# Altium PCB TD4_CPU.PcbDoc (part 1 of 3) (continued)
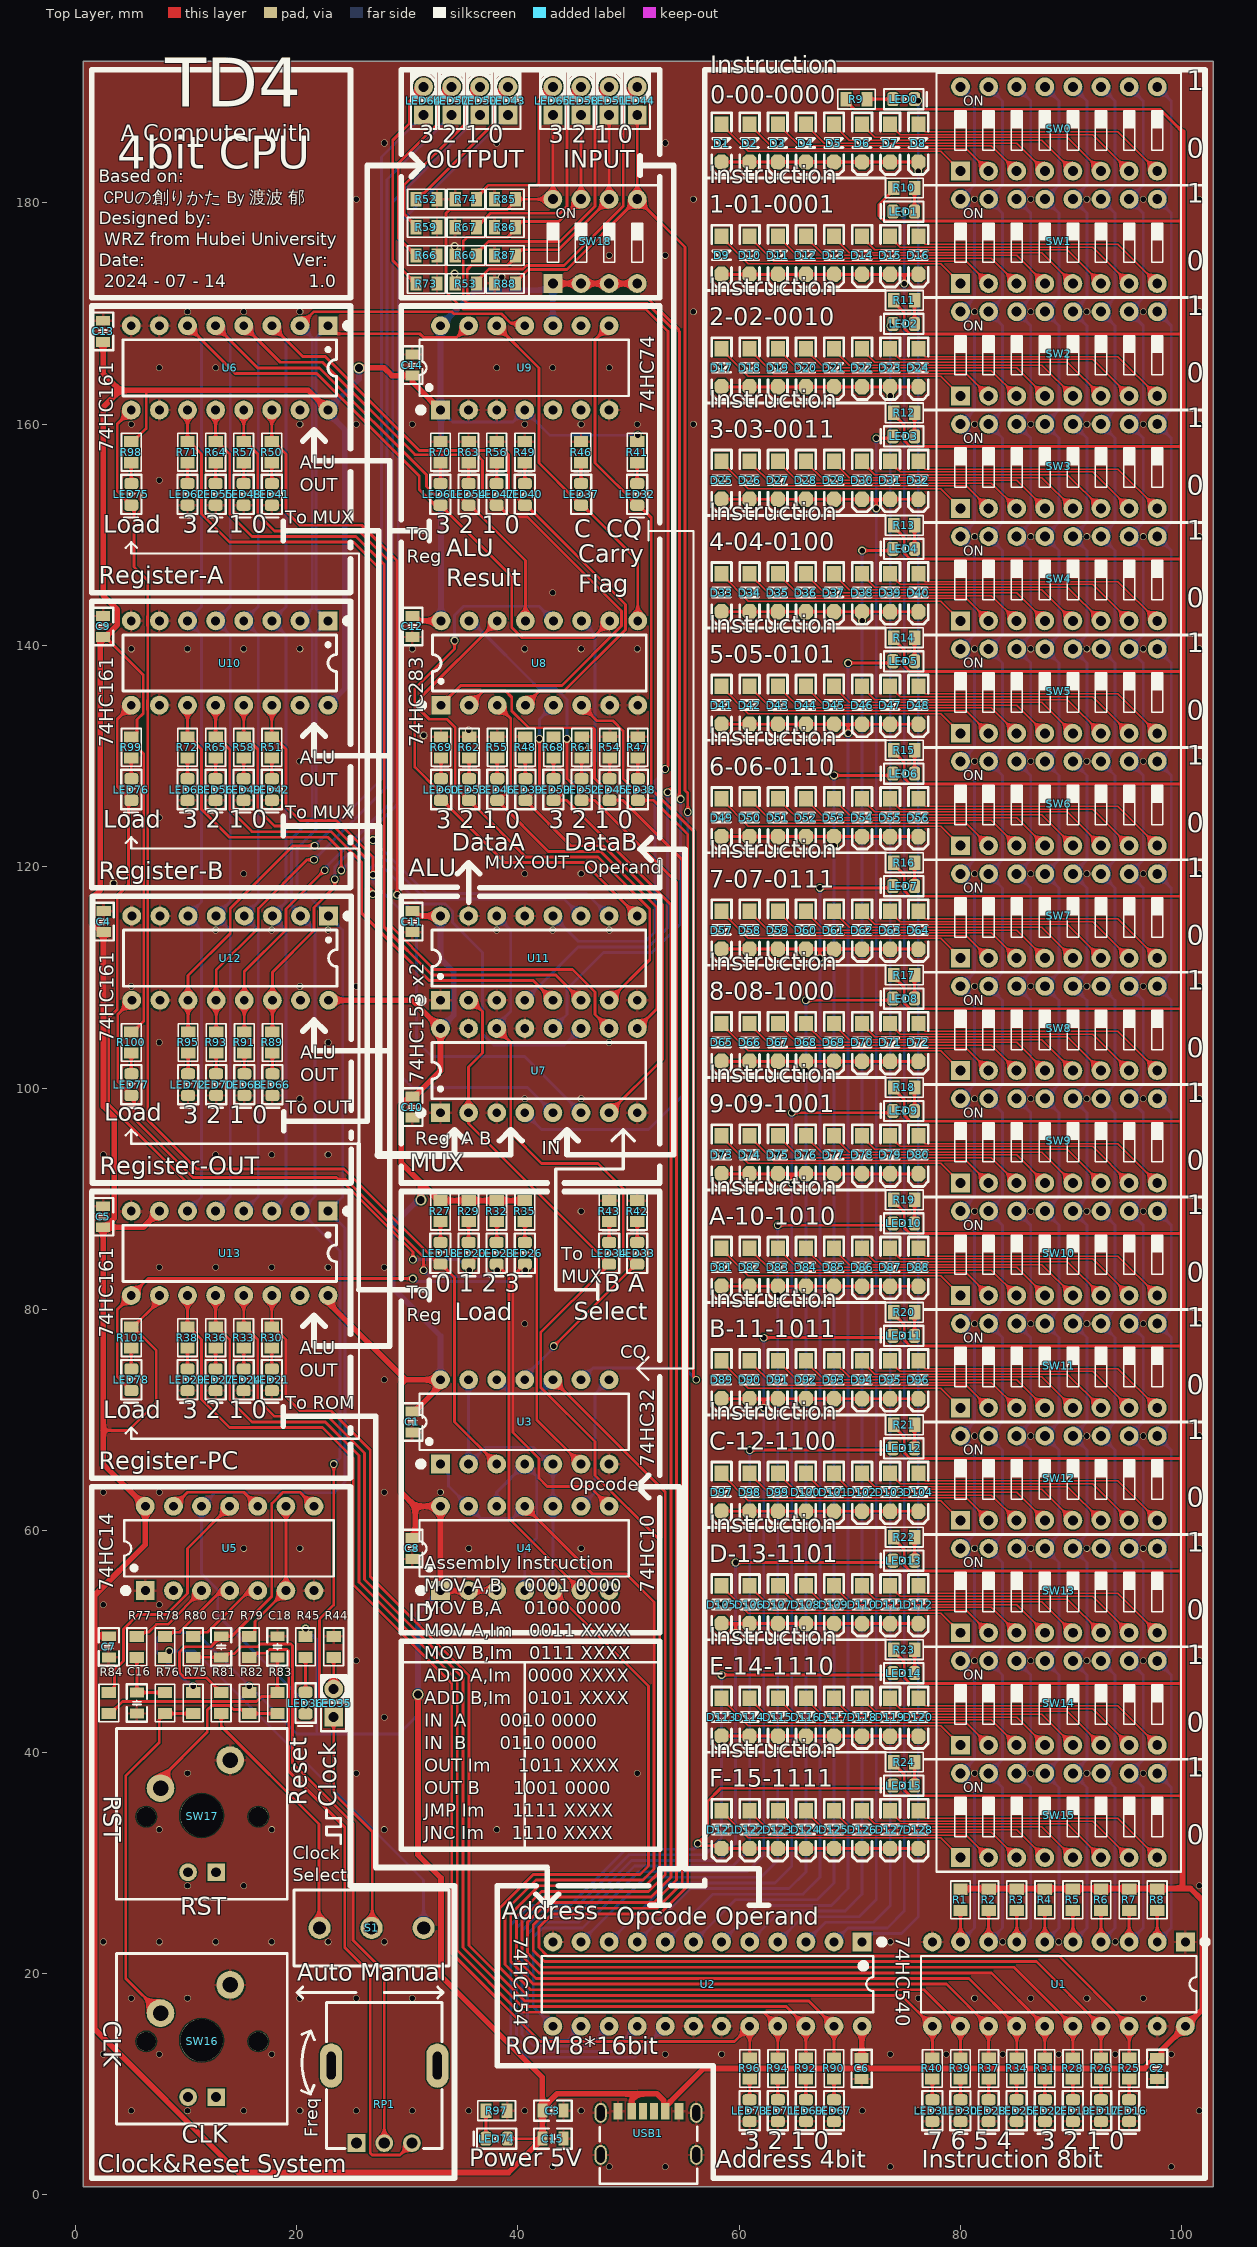
[diagram p0: Top Layer view]
## Components (designator, comment, footprint, x,y, rotation, side; value= is the part's Value field where it differs from the comment) (continued)
R4 "10K" R0805_L 87.63,26.67 r270 top
R5 "10K" R0805_L 90.17,26.67 r270 top
R6 "10K" R0805_L 92.71,26.67 r270 top
R7 "10K" R0805_L 95.25,26.67 r270 top
R8 "10K" R0805_L 97.79,26.67 r270 top
R9 "3K9" R0805_L 70.612,189.389 r180 top
R10 "3K9" R0805_L 74.93,181.356 r180 top
R11 "3K9" R0805_L 74.93,171.196 r180 top
R12 "3K9" R0805_L 74.93,161.036 r180 top
R13 "3K9" R0805_L 74.93,150.876 r180 top
R14 "3K9" R0805_L 74.93,140.716 r180 top
R15 "3K9" R0805_L 74.93,130.556 r180 top
R16 "3K9" R0805_L 74.93,120.396 r180 top
R17 "3K9" R0805_L 74.93,110.236 r180 top
R18 "3K9" R0805_L 74.93,100.076 r180 top
R19 "3K9" R0805_L 74.93,89.916 r180 top
R20 "3K9" R0805_L 74.93,79.756 r180 top
R21 "3K9" R0805_L 74.93,69.596 r180 top
R22 "3K9" R0805_L 74.93,59.436 r180 top
R23 "3K9" R0805_L 74.93,49.276 r180 top
R24 "3K9" R0805_L 74.93,39.116 r180 top
R25 "1K" R0805_L 95.25,11.43 r90 top
R26 "1K" R0805_L 92.71,11.43 r90 top
R27 "1K" R0805_L 33.02,88.9 r90 top
R28 "1K" R0805_L 90.17,11.43 r90 top
R29 "1K" R0805_L 35.56,88.9 r90 top
R30 "3K9" R0805_L 17.78,77.47 r90 top
R31 "1K" R0805_L 87.63,11.43 r90 top
R32 "1K" R0805_L 38.1,88.9 r90 top
R33 "3K9" R0805_L 15.24,77.47 r90 top
R34 "1K" R0805_L 85.09,11.43 r90 top
R35 "1K" R0805_L 40.64,88.9 r90 top
R36 "3K9" R0805_L 12.7,77.47 r90 top
R37 "1K" R0805_L 82.55,11.43 r90 top
R38 "3K9" R0805_L 10.16,77.47 r90 top
R39 "1K" R0805_L 80.01,11.43 r90 top
R40 "1K" R0805_L 77.47,11.43 r90 top
R41 "1K" R0805_L 50.8,157.48 r90 top
R42 "820R" R0805_L 50.8,88.9 r270 top
R43 "820R" R0805_L 48.26,88.9 r270 top
R44 "1K" R0805_L 23.368,49.53 r270 top
R45 "1K5" R0805_L 20.828,49.53 r270 top
R46 "820R" R0805_L 45.72,157.48 r270 top
R47 "1K" R0805_L 50.851,130.81 r270 top
R48 "1K" R0805_L 40.691,130.81 r270 top
R49 "220R" R0805_L 40.64,157.48 r270 top
R50 "3K9" R0805_L 17.78,157.48 r90 top
R51 "3K9" R0805_L 17.78,130.81 r90 top
R52 "3K9" R0805_L 31.75,180.34 r180 top
R53 "1K" R0805_L 35.306,172.72 r0 top
R54 "1K" R0805_L 48.311,130.81 r270 top
R55 "1K" R0805_L 38.151,130.81 r270 top
R56 "220R" R0805_L 38.1,157.48 r270 top
R57 "3K9" R0805_L 15.24,157.48 r90 top
R58 "3K9" R0805_L 15.24,130.81 r90 top
R59 "3K9" R0805_L 31.75,177.8 r180 top
R60 "1K" R0805_L 35.306,175.26 r0 top
R61 "1K" R0805_L 45.771,130.81 r270 top
R62 "1K" R0805_L 35.611,130.81 r270 top
R63 "220R" R0805_L 35.56,157.48 r270 top
R64 "3K9" R0805_L 12.7,157.48 r90 top
R65 "3K9" R0805_L 12.7,130.81 r90 top
R66 "3K9" R0805_L 31.75,175.26 r180 top
R67 "1K" R0805_L 35.306,177.8 r0 top
R68 "1K" R0805_L 43.231,130.81 r270 top
R69 "1K" R0805_L 33.071,130.81 r270 top
R70 "220R" R0805_L 33.02,157.48 r270 top
R71 "3K9" R0805_L 10.16,157.48 r90 top
R72 "3K9" R0805_L 10.16,130.81 r90 top
R73 "3K9" R0805_L 31.75,172.72 r180 top
R74 "1K" R0805_L 35.306,180.34 r0 top
R75 "1K" R0805_L 10.668,44.45 r90 top
R76 "10K" R0805_L 8.128,44.45 r90 top
R77 "100K" R0805_L 5.588,49.53 r90 top
R78 "100R" R0805_L 8.128,49.53 r270 top
R79 "1K" R0805_L 15.748,49.53 r90 top
R80 "100K" R0805_L 10.668,49.53 r90 top
R81 "100R" R0805_L 13.208,44.45 r270 top
R82 "1K" R0805_L 15.748,44.45 r90 top
R83 "1K" R0805_L 18.288,44.45 r90 top
R84 "1K" R0805_L 3.048,44.45 r90 top
R85 "10K" R0805_L 38.862,180.34 r180 top
R86 "10K" R0805_L 38.862,177.8 r180 top
R87 "10K" R0805_L 38.862,175.26 r180 top
R88 "10K" R0805_L 38.862,172.72 r180 top
R89 "3K9" R0805_L 17.831,104.14 r90 top
R90 "3K9" R0805_L 68.58,11.43 r90 top
R91 "3K9" R0805_L 15.291,104.14 r90 top
R92 "3K9" R0805_L 66.04,11.43 r90 top
R93 "3K9" R0805_L 12.751,104.14 r90 top
R94 "3K9" R0805_L 63.5,11.43 r90 top
R95 "3K9" R0805_L 10.211,104.14 r90 top
R96 "3K9" R0805_L 60.96,11.43 r90 top
R97 "1K5" R0805_L 38.1,7.62 r180 top
R98 "1K" R0805_L 5.08,157.48 r90 top
R99 "1K" R0805_L 5.08,130.81 r90 top
R100 "1K" R0805_L 5.08,104.14 r90 top
R101 "1K" R0805_L 5.08,77.47 r90 top
RP1 "50K" XV09223NPV-20F 27.94,11.684 r0 top
S1 "SS-12F23" SS-12D10 26.796,24.13 r180 top
SW0 "DIP-SW-8P" "SW DIP-8P-B" 88.9,186.69 r0 top
SW1 "DIP-SW-8P" "SW DIP-8P-B" 88.9,176.53 r0 top
SW2 "DIP-SW-8P" "SW DIP-8P-B" 88.9,166.37 r0 top
SW3 "DIP-SW-8P" "SW DIP-8P-B" 88.9,156.21 r0 top
SW4 "DIP-SW-8P" "SW DIP-8P-B" 88.9,146.05 r0 top
SW5 "DIP-SW-8P" "SW DIP-8P-B" 88.9,135.89 r0 top
SW6 "DIP-SW-8P" "SW DIP-8P-B" 88.9,125.73 r0 top
SW7 "DIP-SW-8P" "SW DIP-8P-B" 88.9,115.57 r0 top
SW8 "DIP-SW-8P" "SW DIP-8P-B" 88.9,105.41 r0 top
SW9 "DIP-SW-8P" "SW DIP-8P-B" 88.9,95.25 r0 top
SW10 "DIP-SW-8P" "SW DIP-8P-B" 88.9,85.09 r0 top
SW11 "DIP-SW-8P" "SW DIP-8P-B" 88.9,74.93 r0 top
SW12 "DIP-SW-8P" "SW DIP-8P-B" 88.9,64.77 r0 top
SW13 "DIP-SW-8P" "SW DIP-8P-B" 88.9,54.61 r0 top
SW14 "DIP-SW-8P" "SW DIP-8P-B" 88.9,44.45 r0 top
SW15 "DIP-SW-8P" "SW DIP-8P-B" 88.9,34.29 r0 top
SW16 "Cherry" "LSW DIP-CHERRY-Hat" 11.43,13.97 r0 top
SW17 "Cherry" "LSW DIP-CHERRY-Hat" 11.43,34.29 r0 top
SW18 "DIP-SW-4P" "SW DIP-4P-B" 46.99,176.53 r0 top
U1 "SN74HC540" DIP20-300_MH 88.9,19.05 r270 top
U2 "SN74HC154" DIP24-300_MH 57.15,19.05 r270 top
U3 "SN74HC32" DIP14-300_MH 40.64,69.85 r90 top
U4 "SN74HC10" DIP14-300_MH 40.64,58.42 r90 top
U5 "SN74HC14" DIP14-300_MH 13.97,58.42 r90 top
U6 "SN74HC161" DIP16-300_MH 13.97,165.1 r270 top
U7 "SN74HC153" DIP16-300_MH 41.91,101.6 r90 top
U8 "SN74HC283" DIP16-300_MH 41.961,138.43 r90 top
U9 "SN74HC74" DIP14-300_MH 40.64,165.1 r90 top
U10 "SN74HC161" DIP16-300_MH 13.97,138.43 r270 top
U11 "SN74HC153" DIP16-300_MH 41.91,111.76 r90 top
U12 "SN74HC161" DIP16-300_MH 14.021,111.76 r270 top
U13 "SN74HC161" DIP16-300_MH 13.97,85.09 r270 top
USB1 "USB_TYPE-C_6Pin" USB-C-SMD_6P 51.816,5.588 r90 top

## Footprints (in the part's own frame and the unit in brackets; to place one, negate y for a bottom-side part, rotate by r counter-clockwise, add the part's x,y. Pads: shape width x height; smd on the part's side, far side on the other; paste and mask are expansions set on the pad)
C0805_L [mil] "贴片MLCC电容"
  rect 35x50 smd: 1(-37.4,0) 2(37.4,0)
  silkscreen extent -67,-36 67,36, body extent -39,-26 39,26, height 51
DIP14-300_MH [mm] "带底座  19*7.6*3.8(长宽高）"
  rect 1.7x1.7 hole 0.8: 1(-3.81,7.62)
  round 1.7 hole 0.8: 2(-3.81,5.08) 3(-3.81,2.54) 4(-3.81,0) 5(-3.81,-2.54) 6(-3.81,-5.08) 7(-3.81,-7.62) 8(3.81,-7.62) 9(3.81,-5.08) 10(3.81,-2.54) 11(3.81,0) 12(3.81,2.54) 13(3.81,5.08) 14(3.81,7.62)
  silkscreen extent -4.06,-9.4 2.54,9.65, body extent -5,-9.5 5,9.5, height 7.3
DIP16-300_MH [mm] "带底座 19.3*7.6*3.8(长宽高）"
  rect 1.7x1.7 hole 0.8: 1(-3.81,8.89)
  round 1.7 hole 0.8: 2(-3.81,6.35) 3(-3.81,3.81) 4(-3.81,1.27) 5(-3.81,-1.27) 6(-3.81,-3.81) 7(-3.81,-6.35) 8(-3.81,-8.89) 9(3.81,-8.89) 10(3.81,-6.35) 11(3.81,-3.81) 12(3.81,-1.27) 13(3.81,1.27) 14(3.81,3.81) 15(3.81,6.35) 16(3.81,8.89)
  silkscreen extent -4.06,-9.65 2.54,10.92, body extent -4.98,-10.25 5,10.25, height 7.5
DIP20-300_MH [mm] "带底座 26.4*7.6*3.8(长宽高）"
  rect 1.7x1.7 hole 0.8: 1(-3.81,11.43)
  round 1.7 hole 0.8: 2(-3.81,8.89) 3(-3.81,6.35) 4(-3.81,3.81) 5(-3.81,1.27) 6(-3.81,-1.27) 7(-3.81,-3.81) 8(-3.81,-6.35) 9(-3.81,-8.89) 10(-3.81,-11.43) 11(3.81,-11.43) 12(3.81,-8.89) 13(3.81,-6.35) 14(3.81,-3.81) 15(3.81,-1.27) 16(3.81,1.27) 17(3.81,3.81) 18(3.81,6.35) 19(3.81,8.89) 20(3.81,11.43)
  silkscreen extent -4.06,-12.45 2.54,13.46, body extent -5,-13.2 4.98,13.2, height 7.7
DIP24-300_MH [mm] "带底座 31*7.6*3.8(长宽高）"
  rect 1.7x1.7 hole 0.8: 1(-3.81,13.97)
  round 1.7 hole 0.8: 2(-3.81,11.43) 3(-3.81,8.89) 4(-3.81,6.35) 5(-3.81,3.81) 6(-3.81,1.27) 7(-3.81,-1.27) 8(-3.81,-3.81) 9(-3.81,-6.35) 10(-3.81,-8.89) 11(-3.81,-11.43) 12(-3.81,-13.97) 13(3.81,-13.97) 14(3.81,-11.43) 15(3.81,-8.89) 16(3.81,-6.35) 17(3.81,-3.81) 18(3.81,-1.27) 19(3.81,1.27) 20(3.81,3.81) 21(3.81,6.35) 22(3.81,8.89) 23(3.81,11.43) 24(3.81,13.97)
  silkscreen extent -4.06,-14.99 2.54,16, body extent -5.02,-15.5 5.03,15.5, height 7.7
LED0805_B [mil] "蓝色0805LED"
  rrect50% 40x50 smd: 1(-38.4,0) 2(38.4,0)
  silkscreen extent -70,-36 82,36, body extent -39,-25 39,25, height 32
"LED F257-W - duplicate" [mm] "透明色2mm*5mm*7mm(长*宽*高)"
  rect 1.7x1.7 hole 0.9: 1(-1.27,0)
  round 1.7 hole 0.9: 2(1.27,0)
  silkscreen extent -2.54,-1.14 2.54,1.14, body extent -2.5,-1 2.5,1, height 7
"LSW DIP-CHERRY-Hat" [mm]
  round 2.5 hole 1.4: 1(-3.708,2.464) 2(2.591,5.004)
  rect 1.6x1.6 hole 0.9: 3(1.321,-5.131)
  round 1.6 hole 0.9: 4(-1.219,-5.131)
  round 1.75 hole 1.75: ""(-5.004,-0.102) ""(5.131,-0.102)
  round 3.85 hole 3.85: ""(0,0)
  silkscreen extent -7.7,-7.57 7.75,7.85, body extent -9,-9 9,9, height 18
R0805_L [mm] "1/8W贴片电阻"
  rect 1x1.3 smd: 1(-0.95,0) 2(0.95,0)
  silkscreen extent -1.7,-0.89 1.7,0.89, body extent -1,-0.62 1,0.63, height 0.5
SOD-123 [mil] "2.7x1.6X1.1mm（长宽高，不包括引脚） 淘宝ID:黄晶宝石"
  rect 55x50 smd: 1(-67.5,0)
  oct 55x50 smd: 2(67.5,0)
  silkscreen extent -108,-35 112,35, body extent -73,-32 73,31, height 50
SS-12D10 [mm] "脚距3mm      淘宝ID:黄晶宝石"
  round 2 hole 1.2: 1(-4.7,0) 2(0,0) 3(4.7,0)
  silkscreen extent -7,-3.43 7,3.43, body extent -7,-3.1 7,3.1, height 9.65
"SW DIP-4P-B" [mm] "11.7*9.9*7mm"
  rect 1.7x1.7 hole 0.9: 1(-3.81,-3.81)
  round 1.7 hole 0.9: 2(-1.27,-3.81) 3(1.27,-3.81) 4(3.81,-3.81) 5(3.81,3.81) 6(1.27,3.81) 7(-1.27,3.81) 8(-3.81,3.81)
  silkscreen extent -5.97,-5.08 5.97,5.08, body extent -5.21,-3.92 5.21,3.93, height 5.2
"SW DIP-8P-B" [mm] "21.9*9.9*7mm"
  rect 1.7x1.7 hole 0.9: 1(-8.89,-3.81)
  round 1.7 hole 0.9: 2(-6.35,-3.81) 3(-3.81,-3.81) 4(-1.27,-3.81) 5(1.27,-3.81) 6(3.81,-3.81) 7(6.35,-3.81) 8(8.89,-3.81) 9(8.89,3.81) 10(6.35,3.81) 11(3.81,3.81) 12(1.27,3.81) 13(-1.27,3.81) 14(-3.81,3.81) 15(-6.35,3.81) 16(-8.89,3.81)
  silkscreen extent -11.05,-5.08 11.05,5.08, body extent -10.16,-4.02 10.16,4.02, height 5.2
USB-C-SMD_6P [mil] "封装库来自淘宝ID:黄晶宝石"
  oval 70.82x43.31 hole 27.56 slot 55.16 at 0 deg: 0(-77.75,170.08) 0(-77.75,-170.08) 0(71.85,170.08) 0(71.85,-170.08)
  rect 59x27.6 smd: A5(77.76,19.7) B5(77.76,-19.7)
  rect 59x29.9 smd: A9(77.76,-59.85) B9(77.76,59.85)
  rect 59x31.5 smd: A12(77.76,-108.25) B12(77.76,108.25)
  silkscreen extent -180,-174 22,174, body extent -172,-176 95,176, height 127
XV09223NPV-20F [mm] "长9.85mm，宽11.55mm，高20mm"
  oval 2x4 hole 0.8 slot 2.5 at 90 deg: 0(-4.8,0) 0(4.8,0)
  rect 1.6x1.6 hole 1: 1(-2.5,-7)
  round 1.6 hole 1: 2(0,-7) 3(2.5,-7)
  silkscreen extent -5.21,-7.49 5.21,5.71, body extent -4.92,-7.15 4.93,5.5, height 20

## Part data
C1 C2 C3 C4 C5 C6 C7 C8 C9 C10 C11 C12 C13 C14 C15 C16 C17 C18: library part C, "贴片电容/MLCC电容"
D1 D2 D3 D4 D5 D6 D7 D8 D9 D10 D11 D12 D13 D14 D15 D16 D17 D18 D19 D20 D21 D22 D23 D24 D25 D26 D27 D28 D29 D30 D31 D32 D33 D34 D35 D36 D37 D38 D39 D40 D41 D42 D43 D44 D45 D46 D47 D48 D49 D50 D51 D52 D53 D54 D55 D56 D57 D58 D59 D60 D61 D62 D63 D64 D65 D66 D67 D68 D69 D70 D71 D72 D73 D74 D75 D76 D77 D78 D79 D80 D81 D82 D83 D84 D85 D86 D87 D88 D89 D90 D91 D92 D93 D94 D95 D96 D97 D98 D99 D100 D101 D102 D103 D104 D105 D106 D107 D108 D109 D110 D111 D112 D113 D114 D115 D116 D117 D118 D119 D120 D121 D122 D123 D124 D125 D126 D127 D128: "肖特基二极管"
LED0 LED1 LED2 LED3 LED4 LED5 LED6 LED7 LED8 LED9 LED10 LED11 LED12 LED13 LED14 LED15 LED16 LED17 LED18 LED19 LED20 LED21 LED22 LED23 LED24 LED25 LED26 LED27 LED28 LED29 LED30 LED31 LED32 LED33 LED34 LED35 LED36 LED37 LED38 LED39 LED40 LED41 LED42 LED43 LED44 LED45 LED46 LED47 LED48 LED49 LED50 LED51 LED52 LED53 LED54 LED55 LED56 LED57 LED58 LED59 LED60 LED61 LED62 LED63 LED64 LED65 LED66 LED67 LED68 LED69 LED70 LED71 LED72 LED73 LED74 LED75 LED76 LED77 LED78: library part LED, "贴片LED"
R1 R2 R3 R4 R5 R6 R7 R8 R9 R10 R11 R12 R13 R14 R15 R16 R17 R18 R19 R20 R21 R22 R23 R24 R25 R26 R27 R28 R29 R30 R31 R32 R33 R34 R35 R36 R37 R38 R39 R40 R41 R42 R43 R44 R45 R46 R47 R48 R49 R50 R51 R52 R53 R54 R55 R56 R57 R58 R59 R60 R61 R62 R63 R64 R65 R66 R67 R68 R69 R70 R71 R72 R73 R74 R75 R76 R77 R78 R79 R80 R81 R82 R83 R84 R85 R86 R87 R88 R89 R90 R91 R92 R93 R94 R95 R96 R97 R98 R99 R100 R101: library part R, "贴片电阻"
RP1: library part RP, "单联电位器"
S1: library part SSW-1P, "1路波动开关"
SW0 SW1 SW2 SW3 SW4 SW5 SW6 SW7 SW8 SW9 SW10 SW11 SW12 SW13 SW14 SW15: "8路编码开关"
SW16 SW17: library part LSW, "带灯机械按键开关"
SW18: "4路编码开关"
U1: "OCTAL BUF AND LINE DRV 3SO"
U2: "4-16LINE DEC DEMUL"
U3: "Quad 2-IN Pos Or G"
U4: "Triple 3-IN Pos Nand G"
U5: "Hex Inverter SCH"
U6 U10 U12 U13: "SYN 4-BIT CNT"
U7 U11: "DUAL 4-1 LINE DATA SELEC/MUX"
U8: "4-BIT BIN ADD WITH FC"
U9: "DUAL D PET FF RS CR"
USB1: "USB_TYPE-C_6Pin母座"

## Via types
v1: diameter 0.6, hole 0.5, Top Layer to Bottom Layer, tented both sides, 253 vias
v2: diameter 0.7, hole 0.5, Top Layer to Bottom Layer, tented both sides, 77 vias
v3: diameter 1, hole 0.7, Top Layer to Bottom Layer, tented both sides, 3 vias

## Nets (pads, with @x,y where several pads share a name; then routed paths per layer and width w, separated by ;. In a path a pad name is that pad's centre, name@x,y a point inside that pad or via, vN(x,y) a via of type N, cw(c..) or ccw(c..) an arc to the next point about the centre after c; other vN are vias at no path point)
A_REG_0: R50.2 U6.14 U7.6 | length 83.2
  Top Layer w0.254: R50.2@17.78,158.43 U6.14@17.78,161.29 ; R50.2@17.93,158.43 19.05,157.31 19.05,152.146 20.32,150.876 25.908,150.876 29.1,147.684 v2(29.1,117.481)
  Bottom Layer w0.254: v2(29.1,117.481) 29.077,117.481 30.861,115.697 30.861,104.267 32.258,102.87 40.64,102.87 U7.6@45.72,97.79
A_REG_1: R57.2 U6.13 U7.10 | length 81.3
  Top Layer w0.254: R57.2@15.24,158.43 U6.13@15.24,161.29 ; R57.2@15.39,158.43 16.51,157.31 16.51,151.884 18.026,150.368 25.654,150.368 28.448,147.574 28.448,117.348 28.448,114.741 32.445,110.744 44.958,110.744 46.99,108.712 46.99,106.68 U7.10@48.26,105.41
A_REG_2: R64.2 U6.12 U11.6 | length 79
  Top Layer w0.254: R64.2@12.7,158.43 U6.12@12.7,161.29 ; R64.2@12.85,158.43 13.97,157.31 13.97,151.892 16.002,149.86 25.4,149.86 27.94,147.32 27.94,117.348 27.94,114.554 32.258,110.236 43.434,110.236 U11.6@45.72,107.95
A_REG_3: R71.2 U6.11 U11.10 | length 77
  Top Layer w0.254: R71.2@10.16,158.43 U6.11@10.16,161.29 ; R71.2@10.31,158.43 11.43,157.31 11.43,151.884 13.962,149.352 25.146,149.352 27.432,147.066 27.432,122.745 27.114,122.428 v2(26.924,122.428)
  Bottom Layer w0.254: v2(26.924,122.428) 31.75,117.602 46.228,117.602 U11.10@48.26,115.57
Addr0: R30.2 R90.2 U2.23 U13.14 | length 106.7
  Top Layer w0.254: U13.14@17.78,81.28 R30.2@17.78,78.42 17.93,78.42 19.05,77.3 19.05,72.136 20.32,70.866 23.114,70.866 26.67,67.31 26.67,55.88 35.611,46.939 35.611,22.555 40.64,17.526 66.294,17.526 U2.23@68.58,15.24 R90.2@68.58,12.38
Addr1: R33.2 R92.2 U2.22 U13.13 | length 106.9
  Top Layer w0.254: R33.2@15.24,78.42 R33.2@15.39,78.42 ; U13.13@15.24,81.28 15.24,78.57 R33.2@15.39,78.42 ; R92.2@66.04,12.38 U2.22@66.04,15.24 64.262,17.018 40.386,17.018 35.052,22.352 35.052,46.736 26.162,55.626 26.162,67.056 22.86,70.358 18.026,70.358 16.51,71.874 16.51,77.3 R33.2@15.39,78.42
Addr2: R36.2 R94.2 U2.21 U13.12 | length 106.8
  Top Layer w0.254: U13.12@12.7,81.28 R36.2@12.7,78.42 12.85,78.42 13.97,77.3 13.97,71.882 16.002,69.85 22.606,69.85 25.654,66.802 25.654,55.372 34.544,46.482 34.544,22.098 40.132,16.51 62.23,16.51 U2.21@63.5,15.24 R94.2@63.5,12.38
Addr3: R38.2 R96.2 U2.20 U13.11 | length 108
  Top Layer w0.254: U13.11@10.16,81.28 R38.2@10.16,78.42 10.31,78.42 11.43,77.3 11.43,71.874 13.962,69.342 22.352,69.342 25.146,66.548 25.146,55.118 34.036,46.228 34.036,21.844 42.012,13.868 59.588,13.868 U2.20@60.96,15.24 R96.2@60.96,12.38
ALU_A0: LED39.1 U7.7 U8.5 | length 46.8
  Top Layer w0.254: v2(41.961,131.572) 41.961,127.295 41.12,126.454 41.12,126.396 40.749,126.025 LED39.1@40.691,126.025 44.795,121.92 47.752,121.92 53.086,116.586 53.086,102.616 U7.7@48.26,97.79
  Bottom Layer w0.254: v2(41.961,131.572) 41.961,133.35 U8.5@43.231,134.62
ALU_A1: LED46.1 U7.9 U8.3 | length 39.8
  Top Layer w0.254: U8.3@38.151,134.62 39.37,133.401 39.37,127.117 38.278,126.025 LED46.1@38.151,126.025 42.763,121.412 47.498,121.412 52.578,116.332 52.578,107.188 U7.9@50.8,105.41
ALU_A2: LED53.1 U8.14 U11.7 | length 52.1
  Top Layer w0.254: U8.14@38.151,142.24 31.242,135.331 31.242,134.112 32.004,133.35 33.594,133.35 34.356,132.588 34.356,127.279 35.181,126.454 35.181,126.396 35.553,126.025 LED53.1@35.611,126.025 35.669,126.025 36.04,125.653 36.04,125.595 40.731,120.904 47.244,120.904 51.93,116.218 51.93,111.62 U11.7@48.26,107.95
ALU_A3: LED60.1 U8.12 U11.9 | length 51.1
  Top Layer w0.254: v2(34.29,140.462) 34.29,139.7 30.701,136.111 30.701,129.027 32.815,126.914 32.815,126.28 LED60.1@33.071,126.025 33.198,126.025 38.826,120.396 45.974,120.396 U11.9@50.8,115.57
  Bottom Layer w0.254: v2(34.29,140.462) 34.29,142.748 35.103,143.561 41.91,143.561 U8.12@43.231,142.24
ALU_OUT0: LED40.1 U6.3 U8.4 U10.3 U12.3 U13.3 | length 141.6
  Top Layer w0.254: U6.3@17.78,168.91 20.574,166.116 22.606,166.116 31.099,157.623 38.802,157.623 39.167,157.259 39.167,154.168 40.21,153.124 40.21,153.066 40.582,152.695 LED40.1@40.64,152.695 40.767,152.695 49.745,143.717 49.745,141.439 44.196,135.89 41.961,135.89 U8.4@40.691,134.62
  Bottom Layer w0.254: U13.3@17.78,88.9 19.05,90.17 19.05,114.3 17.78,115.57 19.05,116.84 19.05,140.97 U10.3@17.78,142.24 19.05,143.51 19.05,167.64 U6.3@17.78,168.91
ALU_OUT1: LED47.1 U6.4 U8.1 U10.4 U12.4 U13.4 | length 150.5
  Top Layer w0.254: U6.4@15.24,168.91 18.542,165.608 22.352,165.608 30.701,157.259 36.305,157.259 36.83,156.733 36.83,153.965 37.67,153.124 37.67,153.066 38.042,152.695 LED47.1@38.1,152.695 38.227,152.695 39.284,151.638 40.894,151.638 49.389,143.143 49.389,141.793 43.994,136.398 34.849,136.398 U8.1@33.071,134.62
  Bottom Layer w0.254: U13.4@15.24,88.9 16.561,90.221 16.561,114.3 U12.4@15.291,115.57 15.24,115.57 16.561,116.891 16.561,140.97 15.291,142.24 U10.4@15.24,142.24 16.561,143.561 16.561,167.64 15.291,168.91 U6.4@15.24,168.91
ALU_OUT2: LED54.1 U6.5 U8.13 U10.5 U12.5 U13.5 | length 126.2
  Top Layer w0.254: U6.5@12.7,168.91 16.51,165.1 22.098,165.1 31.75,155.448 31.75,154.372 32.452,153.67 34.585,153.67 LED54.1@35.56,152.695 35.687,152.695 40.691,147.691 U8.13@40.691,142.24
  Bottom Layer w0.254: U13.5@12.7,88.9 14.021,90.221 14.021,114.3 U12.5@12.751,115.57 12.7,115.57 14.021,116.891 14.021,140.97 12.751,142.24 U10.5@12.7,142.24 14.021,143.561 14.021,167.64 12.751,168.91 U6.5@12.7,168.91
ALU_OUT3: LED61.1 U6.6 U8.10 U10.6 U12.6 U13.6 | length 137.1
  Top Layer w0.254: U6.6@10.16,168.91 14.478,164.592 21.844,164.592 31.099,155.337 31.099,154.118 32.522,152.695 LED61.1@33.02,152.695 33.078,152.695 33.45,152.323 33.45,152.265 39.464,146.251 39.464,141.638 40.386,140.716 46.787,140.716 U8.10@48.311,142.24
  Bottom Layer w0.254: U13.6@10.16,88.9 11.43,90.17 11.43,114.3 10.16,115.57 11.43,116.84 11.43,140.97 U10.6@10.16,142.24 11.43,143.51 11.43,167.64 U6.6@10.16,168.91
B_REG_0: R51.2 U7.5 U10.14 | length 55.6
  Top Layer w0.254: R51.2@17.78,131.76 U10.14@17.78,134.62 ; R51.2@17.93,131.76 19.05,130.64 19.05,125.476 20.32,124.206 23.622,124.206 26.924,120.904 v2(26.924,119.278) ; U7.5@42.964,98.006 U7.5@43.18,97.79
  Bottom Layer w0.254: v2(26.924,119.278) 26.924,118.611 29.464,116.071 29.464,101.092 30.48,100.076 40.894,100.076 U7.5@43.18,97.79
B_REG_1: R58.2 U7.11 U10.13 | length 59.2
  Top Layer w0.254: R58.2@15.24,131.76 U10.13@15.24,134.62 ; R58.2@15.39,131.76 16.51,130.64 16.51,125.214 18.026,123.698 23.368,123.698 26.416,120.65 26.416,119.589 26.345,119.518 26.345,118.371 26.899,117.818 v2(26.899,117.551)
  Bottom Layer w0.254: v2(26.899,117.551) 26.899,117.72 26.345,118.273 26.345,119.563 26.924,120.142 27.686,120.142 31.179,116.649 33.467,116.649 34.099,116.017 34.099,114.999 36.83,112.268 36.83,104.902 37.846,103.886 44.196,103.886 U7.11@45.72,105.41
B_REG_2: R65.2 U10.12 U11.5 | length 48.9
  Top Layer w0.254: R65.2@12.7,131.76 U10.12@12.7,134.62 ; R65.2@12.85,131.76 13.97,130.64 13.97,125.222 16.002,123.19 23.114,123.19 25.908,120.396 25.908,115.824 32.004,109.728 41.402,109.728 U11.5@43.18,107.95
B_REG_3: R72.2 U10.11 U11.11 | length 50.2
  Top Layer w0.254: R72.2@10.16,131.76 U10.11@10.16,134.62 ; R72.2@10.31,131.76 11.43,130.64 11.43,125.214 13.962,122.682 22.86,122.682 24.054,121.488 v2(24.054,119.685)
  Bottom Layer w0.254: v2(24.054,119.685) 25.273,120.904 27.815,120.904 31.625,117.094 44.196,117.094 U11.11@45.72,115.57
C: LED37.1 U8.9 U9.12 | length 32.1
  Top Layer w0.254: U9.12@38.1,168.91 41.91,165.1 41.91,156.505 45.29,153.124 45.29,153.066 45.662,152.695 LED37.1@45.72,152.695 45.847,152.695 50.851,147.691 U8.9@50.851,142.24
C\: LED32.2 U3.9 U9.8 | length 110.9
  Top Layer w0.254: U9.8@48.26,168.91 46.99,167.64 46.99,156.505 LED32.2@50.8,152.695 50.927,152.695 52.07,151.552 52.07,127.042 55.88,123.232 55.88,73.914 v2(56.134,73.66)
  Bottom Layer w0.254: U3.9@45.72,73.66 46.799,74.739 55.055,74.739 v2(56.134,73.66)
COM0: D1.2 D2.2 D3.2 D4.2 D5.2 D6.2 D7.2 D8.2 LED0.2 U2.1 | length 188
  Top Layer w0.254: D1.2@58.42,183.706 D2.2@60.96,183.706 D3.2@63.5,183.706 D4.2@66.04,183.706 D5.2@68.58,183.706 D6.2@71.12,183.706 D7.2@73.66,183.706 D8.2@76.2,183.706 ; LED0.2@76.115,189.315 v2(76.2,189.23)
  Bottom Layer w0.254: U2.1@71.12,22.86 71.882,23.622 74.676,23.622 76.2,25.146 v2(76.2,182.88) v2(76.2,189.23)
COM1: D9.2 D10.2 D11.2 D12.2 D13.2 D14.2 D15.2 D16.2 LED1.2 U2.2 | length 180.6
  Top Layer w0.254: D9.2@58.42,173.546 D10.2@60.96,173.546 D11.2@63.5,173.546 D12.2@66.04,173.546 D13.2@68.58,173.546 D14.2@71.12,173.546 D15.2@73.66,173.546 74.93,173.546 ; LED1.2@73.91,179.229 74.069,179.07 v2@74.93,179.07 ; v2(74.93,172.72) 74.93,173.546 ; D16.2@76.2,173.546 74.93,173.546
  Bottom Layer w0.254: U2.2@68.58,22.86 69.85,24.13 73.406,24.13 74.93,25.654 v2(74.93,172.72) v2@74.93,179.07
  other v2: 74.752,179.07
COM2: D17.2 D18.2 D19.2 D20.2 D21.2 D22.2 D23.2 D24.2 LED2.2 U2.3 | length 169.5
  Top Layer w0.254: D17.2@58.42,163.386 D18.2@60.96,163.386 D19.2@63.5,163.386 D20.2@66.04,163.386 D21.2@68.58,163.386 D22.2@71.12,163.386 D23.2@73.66,163.386 D24.2@76.2,163.386
  Bottom Layer w0.254: U2.3@66.04,22.86 67.818,24.638 72.136,24.638 73.66,26.162 v2(73.66,162.56) v2(73.66,168.91)
COM3: D25.2 D26.2 D27.2 D28.2 D29.2 D30.2 D31.2 D32.2 LED3.2 U2.4 | length 162.7
  Top Layer w0.254: D25.2@58.42,153.225 D26.2@60.96,153.225 D27.2@63.5,153.225 D28.2@66.04,153.225 D29.2@68.58,153.225 D30.2@71.12,153.225 72.39,153.225 ; v2(72.39,152.4) 72.39,153.225 ; v2(72.39,158.75) LED3.2@73.91,158.75 ; D32.2@76.2,153.225 D31.2@73.66,153.225 72.39,153.225
  Bottom Layer w0.254: U2.4@63.5,22.86 65.786,25.146 70.866,25.146 72.39,26.67 v2(72.39,152.4) v2(72.39,158.75)
COM4: D33.2 D34.2 D35.2 D36.2 D37.2 D38.2 D39.2 D40.2 LED4.2 U2.5 | length 154.2
  Top Layer w0.254: D33.2@58.42,143.065 D34.2@60.96,143.065 D35.2@63.5,143.065 D36.2@66.04,143.065 D37.2@68.58,143.065 D38.2@71.12,143.065 D39.2@73.66,143.065 D40.2@76.2,143.065 ; v2(71.12,148.59) LED4.2@74.168,148.59
  Bottom Layer w0.254: U2.5@60.96,22.86 63.754,25.654 69.596,25.654 71.12,27.178 v2(71.12,142.24) v2(71.12,148.59)
COM5: D41.2 D42.2 D43.2 D44.2 D45.2 D46.2 D47.2 D48.2 LED5.2 U2.6 | length 146.8
  Top Layer w0.254: D41.2@58.42,132.905 D42.2@60.96,132.905 D43.2@63.5,132.905 D44.2@66.04,132.905 D45.2@68.58,132.905 69.85,132.905 ; v2(69.85,132.08) 69.85,132.905 ; v2(69.85,138.43) LED5.2@73.91,138.43 ; D48.2@76.2,132.905 D47.2@73.66,132.905 D46.2@71.12,132.905 69.85,132.905
  Bottom Layer w0.254: U2.6@58.42,22.86 61.722,26.162 68.326,26.162 69.85,27.686 v2(69.85,132.08) v2(69.85,138.43)
COM6: D49.2 D50.2 D51.2 D52.2 D53.2 D54.2 D55.2 D56.2 LED6.2 U2.7 | length 138.1
  Top Layer w0.254: D49.2@58.42,122.745 D50.2@60.96,122.745 D51.2@63.5,122.745 D52.2@66.04,122.745 D53.2@68.58,122.745 D54.2@71.12,122.745 D55.2@73.66,122.745 D56.2@76.2,122.745 ; v2(68.58,128.27) LED6.2@73.91,128.27
  Bottom Layer w0.254: U2.7@55.88,22.86 59.69,26.67 67.056,26.67 68.58,28.194 v2(68.58,121.92) v2(68.58,128.27)
COM7: D57.2 D58.2 D59.2 D60.2 D61.2 D62.2 D63.2 D64.2 LED7.2 U2.8 | length 131
  Top Layer w0.254: D57.2@58.42,112.585 D58.2@60.96,112.585 D59.2@63.5,112.585 D60.2@66.04,112.585 67.31,112.585 ; v2(67.31,111.76) 67.31,112.585 ; v2(67.31,118.11) LED7.2@73.91,118.11 ; D64.2@76.2,112.585 D63.2@73.66,112.585 D62.2@71.12,112.585 D61.2@68.58,112.585 67.31,112.585
  Bottom Layer w0.254: U2.8@53.34,22.86 57.658,27.178 65.786,27.178 67.31,28.702 v2(67.31,111.76) v2(67.31,118.11)
COM8: D65.2 D66.2 D67.2 D68.2 D69.2 D70.2 D71.2 D72.2 LED8.2 U2.9 | length 122.3
  Top Layer w0.254: D65.2@58.42,102.425 D66.2@60.96,102.425 D67.2@63.5,102.425 D68.2@66.04,102.425 D69.2@68.58,102.425 D70.2@71.12,102.425 D71.2@73.66,102.425 D72.2@76.2,102.425 ; v2(66.04,107.95) LED8.2@73.91,107.95
  Bottom Layer w0.254: U2.9@50.8,22.86 55.626,27.686 64.516,27.686 66.04,29.21 v2(66.04,101.6) v2(66.04,107.95)